# Altium PCB LimeSDR-Micro_mPCIe_1v3.PcbDoc (part 6 of 9)
Units mm, origin at the board's own origin, x right, y up, seen from the top; angles counter-clockwise.
Board outline 50.8 x 29.7 mm, 8 copper layers (Top, L2, L3, L4, L5, L6, L7, Bottom), stack 0.925 mm thick; 666 components, 390 nets, 2363 pads, 827 vias.
Unrouted connection lines stored in the file: 28.
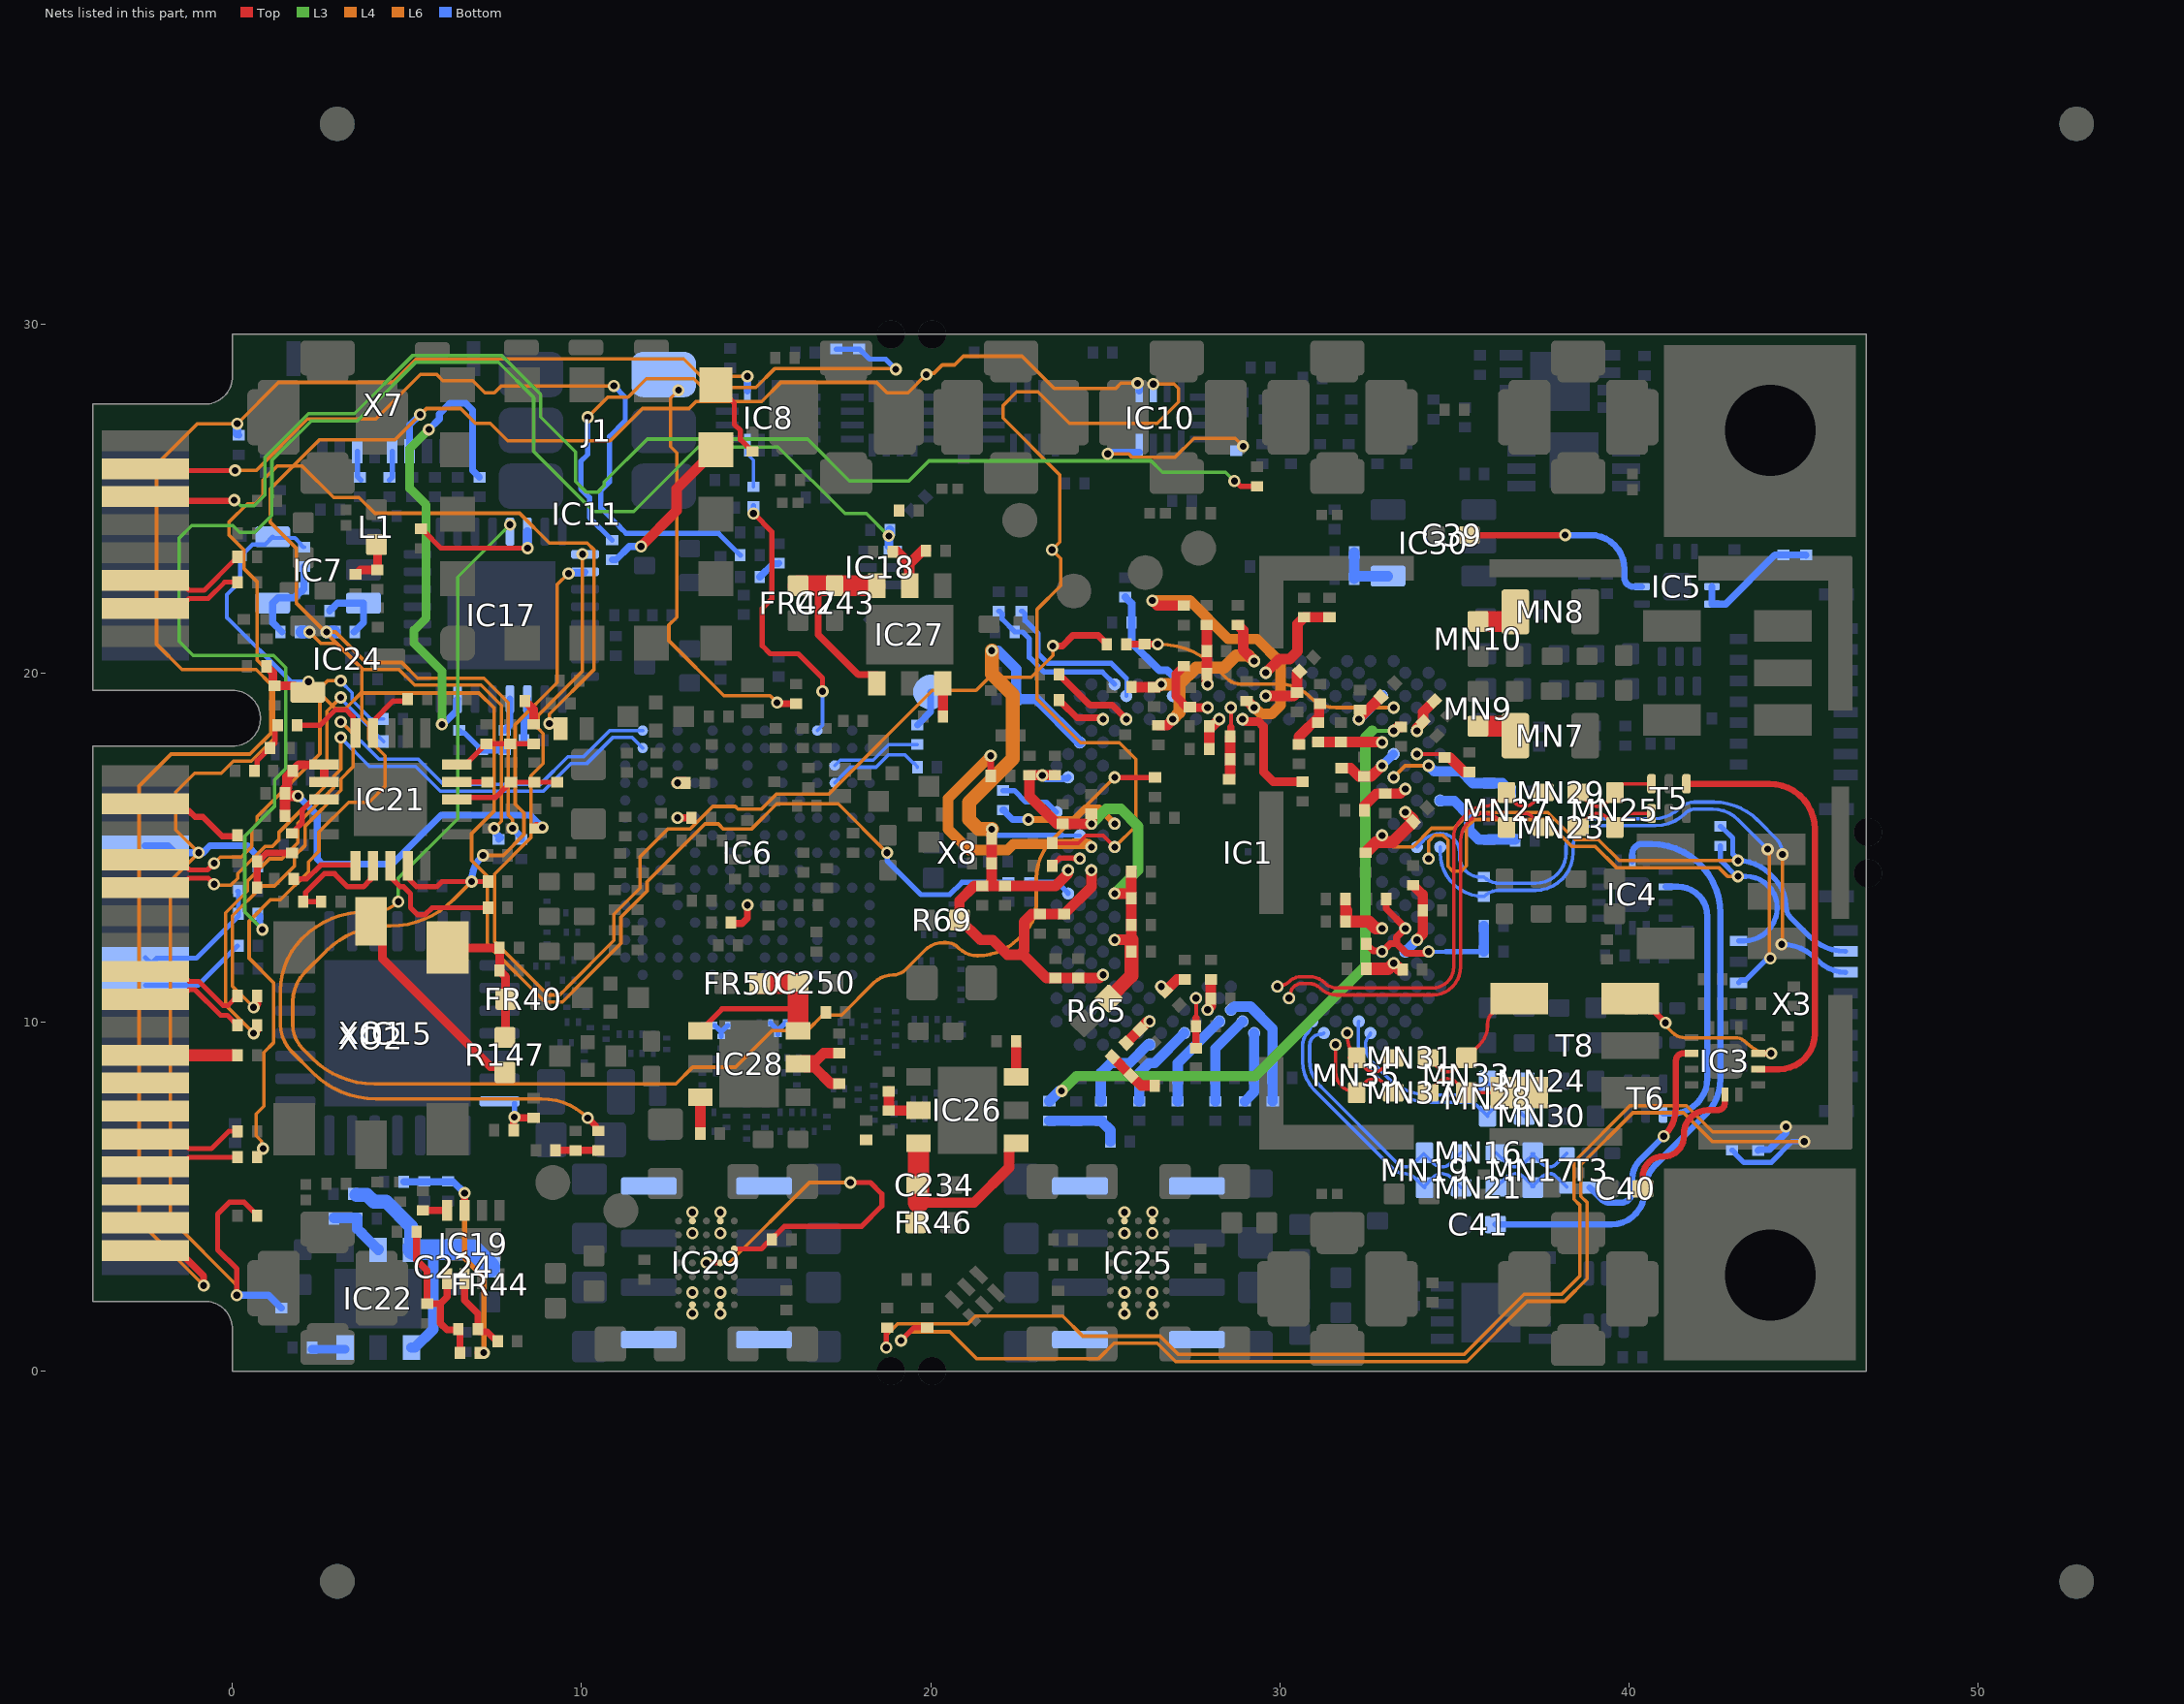
[diagram p12: the nets of this part, all layers, seen from the top]

## Via types
v1: diameter 0.35, hole 0.2, Top to Bottom, tented both sides, 668 vias
v2: diameter 0.35, hole 0.2, L5 to Bottom, tented both sides, 117 vias
v3: diameter 0.4, hole 0.2, Top to Bottom, tented both sides, 30 vias
v4: diameter 0.5, hole 0.2, Top to Bottom, tented both sides, 12 vias

## Nets (pads, with @x,y where several pads share a name; then routed paths per layer and width w, separated by ;. In a path a pad name is that pad's centre, name@x,y a point inside that pad or via, vN(x,y) a via of type N, cw(c..) or ccw(c..) an arc to the next point about the centre after c; other vN are vias at no path point) (continued)
LMS_TX2_BB_I_N: IC1.T6 R6.1 X3.3 | length 16.9
  L6 w0.1: v2(32.93,15.345) 33.255,15.02 33.82,15.02 34.35,15.55 34.992,15.55 35.442,16 37.683,16 38.458,15.225 39.125,15.225 39.725,14.625 v2(43.125,14.625) v2@43.15,14.625
  Bottom w0.15: R6.1@42.625,15.605 42.7,15.53 42.712,15.53 42.975,15.267 42.975,15.2 42.975,14.813 43.125,14.663 v2(43.125,14.625) cw(c43.125,13.358) 44.021,14.254 44.182,14.093 cw(c43.414,13.325) 44.5,13.325 ccw(c44.983,13.325) 44.642,12.983 45.17,12.455 ccw(c46.207,13.492) X3.3@46.207,12.025
LMS_TX2_BB_I_P: IC1.V2 R6.2 X3.2 | length 16.6
  L6 w0.1: v2(34.262,14.679) 34.262,15.179 34.433,15.35 34.675,15.35 34.817,15.208 34.817,14.458 34.95,14.325 35.2,14.325 35.35,14.475 35.35,15.575 35.575,15.8 37.6,15.8 38.375,15.025 39.042,15.025 39.642,14.425 42.575,14.425 42.825,14.175 v2(43.125,14.175)
  Bottom w0.15: R6.2@42.625,15.045 42.625,14.63 43.08,14.175 v2(43.125,14.175) 43.35,14.175 cw(c43.35,13.275) 44.25,13.275 cw(c43.3,13.275) 43.3,12.325 X3.2@43.142,12.325
LMS_TX2_BB_Q_N: IC1.U1 R9.2 X3.6 | length 16.4
  L6 w0.1: v2@43.975,11.9 v2@44.025,11.85 ; v2@44.025,14.95 v2@44.025,11.85 ; v2(44.05,11.825) v2@44.025,11.85
  Bottom w0.1: IC1.U1@34.595,15.012 34.595,14.85 ccw(c35.85,14.85) R9.2@35.85,13.595 cw(c36.285,13.16) 36.285,13.775 37.325,13.775 ccw(c37.325,14.85) 38.4,14.85 38.4,15 cw(c39.025,15) 39.025,15.625 40.766,15.625 ccw(c40.766,16.809) 41.603,15.972 cw(c41.912,15.663) 41.912,16.1 42.4,16.1 cw(c42.4,15.074) 43.126,15.799 v2(43.975,14.95)
  Bottom w0.15: X3.6@43.142,11.125 43.217,11.2 43.35,11.2 v2@43.922,11.772 ; v2@43.922,11.772 cw(c44.05,11.644) v2(44.05,11.825)
LMS_TX2_BB_Q_P: IC1.U3 R9.1 X3.5 | length 18
  L6 w0.1: v2@44.4,12.225 v2(44.4,14.8) v2@44.475,14.725
  Bottom w0.1: IC1.U3@33.929,15.012 34.116,15.2 cw(c34.6,14.716) 34.6,15.4 cw(c34.6,14.85) 35.15,14.85 35.15,14.75 ccw(c35.745,14.75) 35.745,14.155 R9.1@35.85,14.155 ccw(c36.285,14.59) 36.285,13.975 37.325,13.975 ccw(c37.325,14.85) 38.2,14.85 38.2,15 cw(c39.025,15) 39.025,15.825 40.726,15.825 ccw(c40.726,16.849) 41.45,16.125 cw(c41.872,15.703) 41.872,16.3 42.436,16.3 cw(c42.436,14.516) 43.697,15.778 44.234,15.241 cw(c43.892,14.9) v2@44.375,14.9
  Bottom w0.15: v2(44.376,12.225) cw(c44.376,10.84) 45.356,11.819 45.427,11.748 ccw(c46.207,12.529) X3.5@46.207,11.425
LMS_TXEN: IC1.U29 IC10.10 R11.1 | length 24.9
  Top w0.11: R11.1@23.48,15.15 R11.1@23.48,15.125 24.225,15.125 24.448,15.348 24.934,15.348 v1(25.27,15.012)
  L4 w0.1: v1(23.475,23.525) 23.725,23.275 23.725,22.5 23.05,21.825 23.05,19.25 24.299,18.001 25.405,18.001 25.875,17.531 25.875,15.617 v1(25.27,15.012)
  L6 w0.1: v1(23.475,23.525) 23.7,23.75 23.7,25.675 22.075,27.3 22.075,27.66 22.465,28.05 23.075,28.05 23.975,27.15 26.485,27.15 27.1,27.765 27.1,28.15 26.975,28.275 v2(26.375,28.275)
LMS_TxPLL_CLK: C196.2 IC1.E5 R149.2 | length 8.2
  Top w0.2: R149.2@25.57,20.825 v1(26.505,20.825)
  L6 w0.1: v1@26.53,20.825 cw(c26.53,18.483) 28.186,20.139 28.475,19.85 ccw(c28.88,20.255) 28.88,19.682 29.988,19.682 cw(c29.988,18.463) 30.85,19.325 ccw(c31.615,20.09) 31.615,19.008 v1(33.263,19.008)
LNA2_EN: IC10.9 R144.1 X7.6 | length 52.3
  L4 w0.1: v1(0.875,6.375) 0.828,6.422 0.828,6.588 0.675,6.74 0.675,7.365 0.9,7.59 0.9,9.13 1.173,9.403 1.173,11.132 0.475,11.83 0.475,12.888 1.087,13.5 1.375,13.5 2.175,14.3 2.175,14.588 2.475,14.888 2.475,15.444 3.328,16.297 3.912,16.297 4.375,16.759 4.375,17.626 3.9,18.101 3.9,18.525 3.7,18.725 3.7,20.134 1.825,22.009 1.825,23.575 1.075,24.325 1.075,25.267 2.483,26.675 4.65,26.675 v1(5.375,27.4) 5.384,27.4 5.559,27.575 6.535,27.575 6.96,27.15 7.385,27.15 7.885,26.65 10.817,26.65 11.742,27.575 13.075,27.575 13.275,27.775 15.158,27.775 15.708,28.325 18.45,28.325 18.75,28.025 19.35,28.025 v1(19.875,28.55)
  L6 w0.1: v1(19.875,28.55) 19.914,28.589 20.096,28.589 20.333,28.825 20.681,28.825 20.931,29.075 22.615,29.075 23.54,28.15 25.3,28.15 25.45,28.3 v2(25.925,28.3)
  Bottom w0.2: X7.6@5.075,26.35 5.075,27.1 v1(5.375,27.4) ; v2(25.925,28.3) 25.973,28.252 25.975,28.252 IC10.9@25.975,28.075
LNA2_EN_LS: IC10.4 R131.2 | length 5.2
  L6 w0.1: v2(25.075,26.275) 25.675,26.275 25.775,26.175 26.992,26.175 27.542,26.725 28.72,26.725 v2(28.95,26.495)
  Bottom w0.2: v2(25.075,26.275) 25.116,26.275 25.166,26.325 IC10.4@25.975,26.325
MCP_RESET: C178.1 IC15.14 R130.2 | length 1.3
  Top w0.2: R130.2@8.028,6.927 R130.2@8.055,6.9 ; v1@8.03,7.255 C178.1@8.625,7.255 ; R130.2@8.053,6.927 v1@8.053,7.198
  Bottom w0.15: v1@8.075,7.255 IC15.14@8.075,7.675
  other v1: 8.075,7.275
NetC7_2: C7.2 IC1.C29 R20.1 | length 4.6
  Bottom w0.15: R20.1@21.95,21.77 21.975,21.77 22.05,21.695 22.05,21.542 22.405,21.187 C7.2@22.405,21.175 22.63,21.175 22.825,20.98 22.825,20.45 23.25,20.025 24.92,20.025 IC1.C29@25.27,19.674
NetC39_2: C39.2 IC5.2 | length 5.9
  Top w0.18: C39.2@35.425,23.95 v1(38.175,23.95)
  Bottom w0.18: v1(38.175,23.95) 38.897,23.95 cw(c38.897,22.972) 39.875,22.972 39.875,22.725 ccw(c40.125,22.725) 40.125,22.475 IC5.2@40.375,22.475
NetC40_2: C40.2 IC3.13 | length 4.2
  Top w0.18: C40.2@40.4,5.225 40.4,5.575 cw(c40.975,5.575) 40.975,6.15 41,6.15 ccw(c41,6.725) 41.575,6.725 41.575,6.787 cw(c42.262,6.787) 42.262,7.475 42.538,7.475 ccw(c42.538,7.687) 42.75,7.687 IC3.13@42.75,7.922
NetC41_2: C41.2 IC4.13 | length 17.6
  Bottom w0.18: C41.2@36.177,4.2 39.5,4.2 ccw(c39.5,5.15) 40.392,4.822 ccw(c39.5,5.15) 40.45,5.15 cw(c41.536,5.15) 40.768,5.918 42.2,7.35 ccw(c41.176,8.375) 42.625,8.375 42.625,13.11 ccw(c40.635,13.11) 40.635,15.1 40.375,15.1 ccw(c40.375,14.825) 40.1,14.825 IC4.13@40.1,14.603
NetC43_1: C43.1 FR1.2 IC5.8 IC5.9 | length 3.8
  Bottom w0.2: IC5.8@42.375,22.475 IC5.9@42.375,21.975 42.775,21.975 44.18,23.38 C43.1@44.425,23.38 45.065,23.38 FR1.2@45.07,23.375
NetC50_1: C50.1 C51.1 C57.1 C58.1 C59.1 C60.1 C61.1 C62.1 IC1.AA29 IC1.AE29 IC1.L33 IC1.R31 R65.2 | length 13.2
  Top w0.3: C58.1@23.564,17.069 C57.1@22.83,17.069 22.83,16.468 23.62,15.678 v1(24.604,15.678) C50.1@24.604,15.97 ; v1(25.27,13.68) 25.747,13.68 C61.1@25.747,14.31 ; v1@25.299,12.338 25.294,12.338 25.28,12.352 25.28,12.358 25.747,12.358 C59.1@25.747,12.785 C62.1@25.747,13.54
  Top w0.4: R65.2@25.1,10.675 25.747,11.322 C60.1@25.747,12.015 25.747,12.358
  L3 w0.3: v1(24.604,15.678) 25.029,16.103 25.447,16.103 25.942,15.607 25.942,14.352 v1(25.27,13.68)
  Bottom w0.2: v1(23.197,17.065) 23.294,16.968 23.79,16.968 23.804,16.981 23.91,16.981 IC1.L33@23.938,17.01
  other v1: 25.27,12.348
NetC52_1: C52.1 C53.1 C54.1 FR6.1 IC1.A17 IC1.C25 IC1.F24 | length 6.8
  Top w0.3: FR6.1@25.752,19.595 C54.1@26.397,19.595 26.51,19.595 26.589,19.674 v1(26.602,19.674) ; C52.1@26.524,18.501 26.774,18.501 26.935,18.662 v1(26.935,18.675) ; C53.1@28.8,21.375 28.95,21.225 28.95,20.657 v1(29.266,20.34)
  L4 w0.35: v1(26.602,19.674) 27.125,19.674 ; v1(26.935,18.675) 27.125,18.865 27.125,19.674 ; v1(29.266,20.34) 29.107,20.5 28.75,20.5 28.4,20.15 27.601,20.15 27.125,19.674
NetC55_2: C55.2 FR5.1 IC1.M4 | length 1.5
  Top w0.3: FR5.1@32.427,16.065 32.427,16.199 32.773,16.545 C55.2@33.022,16.545 33.45,16.545 33.582,16.677 v1(33.596,16.677)
NetC56_1: C56.1 FR4.1 IC1.AL21 | length 0.9
  Top w0.3: v1(27.934,10.35) 27.934,10.364 28.026,10.456 C56.1@28.026,10.675 FR4.1@28.025,11.22 FR4.1@28.025,11.22
NetC63_1: C63.1 IC1.G5 R66.1 | length 18.3
  Top w0.3: v1(33.263,18.342) 33.276,18.342 33.389,18.455 C63.1@33.475,18.455
  L3 w0.11: 32.658,18.342 v1@33.182,18.342
  L3 w0.3: v1(23.75,8.025) 24.175,8.45 29.3,8.45 32.45,11.6 32.45,18.15 32.65,18.35
  Bottom w0.3: R66.1@23.4,7.731 23.694,8.025 v1(23.75,8.025)
NetC64_1: C64.1 FR9.1 IC1.P4 | length 2.1
  Top w0.35: FR9.1@32.484,14.875 32.759,15.15 33.232,15.15 C64.1@33.824,15.742 33.824,15.782 v1(33.596,16.011)
NetC65_1: C65.1 FR20.1 IC1.D6 IC1.F8 | length 1.8
  Top w0.3: v1(32.264,18.675) 32.264,18.681 FR20.1@32.899,19.317
  Bottom w0.3: v1(32.264,18.675) IC1.D6@32.93,19.341
NetC66_1: C66.1 FR19.1 IC1.B16 | length 2.9
  Top w0.3: v1(29.599,20.007) 29.992,20.4 30.288,20.4 30.509,20.621 30.509,21.404 C66.1@30.7,21.595 FR19.1@31.425,21.595
NetC67_1: C67.1 C68.1 FR18.1 IC1.E19 | length 2
  Top w0.11: 28.6,18.45 v1(28.6,19.008)
  Top w0.2: C67.1@28.6,18.155 28.6,18.18 28.6,18.45
  Top w0.3: FR18.1@28.575,17.055 28.575,17.628 C67.1@28.575,18.155
NetC69_2: C69.2 FR17.1 IC1.F20 | length 1
  Top w0.3: FR17.1@27.98,17.825 C69.2@27.98,18.475 28.067,18.475 v1(28.267,18.675)
NetC70_1: C70.1 FR16.1 IC1.AJ25 | length 0.7
  Top w0.3: C70.1@26.724,10.888 27.056,11.22 FR16.1@27.275,11.22
  other v1: 26.602,11.016
NetC71_1: C71.1 IC1.AP26 R67.1 | length 2.5
  Bottom w0.3: R67.1@24.875,7.73 C71.1@24.875,8.4 24.875,8.539 25.161,8.825 25.696,8.825 26.212,9.341 26.26,9.341 IC1.AP26@26.269,9.351
NetC72_1: C72.1 FR14.1 IC1.AN23 | length 2.6
  Bottom w0.3: FR14.1@25.97,7.73 25.975,7.73 C72.1@25.975,8.4 25.975,8.539 26.261,8.825 26.409,8.825 IC1.AN23@27.268,9.684
NetC73_1: C73.1 FR13.1 IC1.AM20 | length 2.8
  Bottom w0.3: FR13.1@27.075,7.73 C73.1@27.075,8.4 27.075,8.825 IC1.AM20@28.267,10.017
NetC74_1: C74.1 FR12.1 IC1.AL19 | length 3.6
  Bottom w0.3: IC1.AL19@28.6,10.35 28.614,10.35 28.706,10.442 29.158,10.442 29.795,9.805 C74.1@29.795,8.4 FR12.1@29.795,7.73
NetC75_1: C75.1 FR11.1 IC1.AG5 | length 1.1
  Top w0.35: FR11.1@32.53,11.525 33.105,11.525 v1(33.263,11.682) C75.1@33.445,11.5
NetC76_2: C76.2 FR10.1 IC1.AD6 | length 2.1
  Top w0.3: FR10.1@31.88,12.875 C76.2@31.88,13.525
  Top w0.35: 31.905,13.2 31.905,12.875 32.556,12.875 32.75,12.681 v1(32.93,12.681)
NetC77_1: C77.1 FR8.1 IC1.J3 | length 1.6
  Top w0.11: v1(33.929,17.676) 34.629,17.676 C77.1@34.63,17.675
  Top w0.3: C77.1@34.725,17.58 34.87,17.58 35.285,17.165 FR8.1@35.428,17.165
NetC78_2: C78.2 FR7.1 IC1.J5 IC1.K6 | length 1.9
  Top w0.3: FR7.1@31.772,17.27 32.03,17.27 32.265,17.035 C78.2@32.422,17.035 32.621,17.035 v1(32.93,17.343)
  Bottom w0.25: v1(32.93,17.343) IC1.J5@33.263,17.676
NetC79_2: C79.2 FR15.1 R66.2 R67.2 | length 2.2
  Bottom w0.3: R66.2@23.4,7.171 R66.2@23.425,7.171 ; R66.2@23.426,7.17 C79.2@24.175,7.17 R67.2@24.875,7.17 24.9,7.17 24.9,7.145 25.145,6.9 FR15.1@25.145,6.575
NetC80_1: C80.1 FR21.1 IC1.K2 IC1.L5 | length 3.8
  L4 w0.11: v1(33.263,17.01) 33.596,17.343 v1(34.262,17.343)
  Bottom w0.3: v1(34.262,17.343) 34.422,17.183 35.192,17.183 35.53,16.845 C80.1@36,16.845 36.375,16.845 36.6,16.62 36.625,16.62 FR21.1@36.625,16.595
NetC81_1: C81.1 C82.1 FR24.1 IC1.C21 | length 1.7
  Top w0.3: v1@27.909,19.674 C81.1@27.909,19.975 C82.1@27.909,20.625 FR24.1@27.909,21.375
  other v1: 27.934,19.674
NetC83_1: C83.1 C84.1 C85.1 FR23.1 IC1.AD4 IC1.AF2 IC1.AF6 | length 6
  Top w0.2: C83.1@32.477,12.24 32.477,12.215 32.527,12.165 32.552,12.165 32.68,12.037 32.907,12.037 v1(32.93,12.015) 33.165,12.25 33.35,12.25 ; C84.1@33.05,13.525 33.05,13.245 33.596,12.699 v1(33.596,12.681) 33.35,12.436 33.35,12.25 ; v1(34.262,12.015) 34.233,11.986 34.127,11.986 34.113,11.973 33.627,11.973 33.35,12.25
  Bottom w0.11: v1(34.262,12.015) 34.766,12.015
  Bottom w0.15: 34.766,12.015 C85.1@35.845,12.015
  Bottom w0.3: C85.1@35.845,12.015 FR23.1@35.845,12.75
NetC86_1: C86.1 FR22.1 IC1.AN17 | length 2.1
  Bottom w0.3: FR22.1@29,7.73 29.266,7.996 C86.1@29.266,8.4 IC1.AN17@29.266,9.684
NetC87_1: C87.1 IC1.D24 R68.1 | length 3.5
  Bottom w0.11: IC1.D24@26.935,19.341 26.935,19.915
  Bottom w0.22: R68.1@25.575,22.17 25.755,21.99 C87.1@25.755,21.45 25.755,20.87 26.55,20.075 26.775,20.075 26.935,19.915
NetC88_1: C88.1 C89.1 C90.1 C91.1 C92.1 C93.1 C94.1 C95.1 C96.1 C97.1 IC1.AH30 IC1.H32 IC1.T32 IC1.W31 IC1.W33 R69.2 | length 27.5
  Top w0.3: R69.2@20.825,12.925 R69.2@20.825,12.95 ; v1@21.746,15.525 C92.1@21.746,15.258 C93.1@21.746,14.541 21.746,13.9 ; v1(23.938,14.346) 23.929,14.336 23.929,14.245 23.584,13.9 C94.1@22.13,13.9 21.746,13.9 ; v1(24.604,14.346) 24.604,13.87 C88.1@23.825,13.091 C89.1@23.125,13.091 22.891,13.091 22.675,12.875 22.675,12.05 22.55,11.925 ; v1(24.937,11.349) 24.924,11.349 24.832,11.257 C97.1@24.225,11.257 C96.1@23.575,11.257 23.318,11.257 22.65,11.925 22.55,11.925 ; R69.2@20.825,12.95 21.426,12.349 21.776,12.349 22.2,11.925 22.55,11.925 ; R69.2@20.825,12.95 20.825,13.475 21.25,13.9 C95.1@21.475,13.9 21.746,13.9
  L4 w0.4: v1(21.75,15.525) 21.375,15.525 21.1,15.8 21.1,16.297 22.35,17.547 22.35,19.375 21.75,19.975 v1(21.75,20.639)
  Bottom w0.11: 23.767,15.345 IC1.T32@24.271,15.345
  Bottom w0.15: v1(21.75,15.525) 21.93,15.345 23.767,15.345
  Bottom w0.3: v1(21.75,20.639) 21.93,20.639 22.45,20.119 C91.1@22.45,20 C90.1@22.45,19.25 23.031,19.25 IC1.H32@24.271,18.009
NetC98_1: C98.1 FR25.1 IC1.G3 | length 1.1
  Top w0.3: v1(33.929,18.342) 33.938,18.352 33.938,18.434 34.12,18.616 34.106,18.629 34.106,18.877 FR25.1@34.427,19.198
NetC99_1: C99.1 FR32.1 IC1.E21 | length 2
  Top w0.25: FR32.1@27.25,20.195 27.225,20.195 27.2,20.17 27.2,20.145 27.025,19.97 27.025,19.337 27.354,19.008 v1(27.934,19.008)
NetC100_1: C100.1 FR31.1 IC1.D16 | length 1.6
  Top w0.3: v1(29.599,19.341) 30.395,19.341 C100.1@30.495,19.441 30.495,19.975 FR31.1@30.57,20.05
NetC101_1: C101.1 FR30.1 IC1.E17 | length 7.8
  Top w0.3: v1(26.35,22.075) 26.495,21.93 FR30.1@27.25,21.93 ; C101.1@29.05,19.195 29.075,19.195 29.262,19.008 v1(29.266,19.008)
  L4 w0.3: v1(26.35,22.075) 27.425,22.075 28.525,20.975 29.35,20.975 30.025,20.3 30.025,19.075 29.775,18.825 29.463,18.825 29.28,19.008 v1(29.266,19.008)
NetC102_1: C102.1 FR29.1 IC1.AK22 | length 1.4
  Top w0.11: 27.601,10.124 v1(27.601,10.683)
  Top w0.2: FR29.1@27.601,9.25 C102.1@27.601,9.875 27.601,10.124
NetC103_1: C103.1 FR28.1 IC1.AM18 | length 2.6
  Bottom w0.3: FR28.1@28.155,7.73 C103.1@28.155,8.4 28.155,9.239 IC1.AM18@28.933,10.017
NetC104_1: C104.1 FR27.2 IC1.AE3 IC1.AF4 | length 2.2
  Top w0.3: FR27.2@33.82,13.92 34.095,13.645 C104.1@34.095,13.2 34.095,12.528 33.929,12.362 v1(33.929,12.348)
  Bottom w0.3: IC1.AF4@33.596,12.015 v1(33.929,12.348)
NetC105_1: C105.1 FR26.2 IC1.N1 | length 2.9
  Bottom w0.3: IC1.N1@34.595,16.344 34.606,16.333 34.997,16.333 35.425,15.905 35.425,15.5 35.7,15.225 C105.1@36,15.225 ; C105.1@36,15.23 FR26.2@36.745,15.23
NetC106_1: C106.1 FR34.1 IC1.AM26 | length 0.9
  Top w0.3: FR34.1@25.598,9.398 26.207,10.007 26.26,10.007 v1(26.269,10.017)
NetC107_1: C107.1 FR33.2 IC1.H6 | length 1.9
  Top w0.3: FR33.2@31.075,18.02 31.725,18.02 32.905,18.02 32.916,18.009 v1(32.93,18.009)
NetC108_1: C108.1 FR34.2 R71.2 | length 1.6
  Top w0.3: FR34.2@25.202,9.002 C108.1@25.74,8.465 26.029,8.175 R71.2@26.42,8.175
NetC109_1: C109.1 FR33.1 R70.1 | length 1.4
  Top w0.3: C109.1@30.55,17.955 30.55,18.175 31.125,18.75 31.125,19.12 R70.1@31.15,19.12
NetC124_1: C124.1 R82.1 | length 10.6
  L6 w0.1: v2(2.205,21.175) 2.53,20.85 2.992,20.85 3.742,20.1 4.767,20.1 5.217,19.65 7.117,19.65 7.7,19.067 7.7,15.75 v2(7.5,15.55)
  Bottom w0.2: v2(7.5,15.55) 7.5,15.455 7.675,15.28 R82.1@7.625,15.23
  Bottom w0.35: C124.1@1.98,21.175 v2(2.205,21.175)
NetC124_2: C124.2 IC7.4 R77.2 R78.2 | length 2.6
  Bottom w0.2: C124.2@1.42,21.175 1.15,21.445 IC7.4@1.15,22 1.305,22.155 1.775,22.155 1.97,22.35 1.995,22.35 2.045,22.4 R77.2@2.045,22.425 2.045,23.04 R78.2@2.05,23.045
NetC130_1: C130.1 R86.1 | length 10.3
  L6 w0.1: v2(2.695,21.175) 2.95,21.175 3.825,20.3 4.85,20.3 5.3,19.85 7.2,19.85 7.9,19.15 7.9,15.925 8.025,15.8 v2(8.025,15.55)
  Bottom w0.2: v2(8.025,15.55) 8.275,15.3 R86.1@8.275,15.23
  Bottom w0.35: v2(2.695,21.175) C130.1@2.92,21.175
NetC130_2: C130.2 IC7.3 R88.2 | length 2
  Bottom w0.2: R88.2@2.78,21.775 2.78,21.8 2.83,21.85 2.855,21.85 3.005,22 IC7.3@3.75,22 3.75,21.445 C130.2@3.48,21.175
NetC165_1: C165.1 L1.2 R108.1 | length 1.4
  Top w0.25: R108.1@3.525,22.83 3.55,22.83 3.675,22.955 C165.1@4.15,22.955 4.15,23.65 L1.2@4.125,23.675
NetC168_1: C168.1 FR36.1 R109.2 | length 15.6
  L4 w0.1: v1(10.175,27.325) 10.75,27.9 11.331,27.9 11.856,28.425 13.217,28.425 13.467,28.175 14.992,28.175 15.542,28.725 v1@19.075,28.725
  Bottom w0.15: v1(10.175,27.325) 10.175,26.263 9.975,26.063 9.975,25.275 10.225,25.025 10.225,24.455 FR36.1@10.875,23.805 ; C168.1@17.3,29.28 17.962,29.28 18.252,28.99 18.71,28.99 v1(19,28.7)
NetC184_1: C184.1 C185.1 R146.1 | length 1.2
  Top w0.2: C184.1@9.255,6.325 10.47,6.325 C185.1@10.475,6.32
NetC185_2: C185.2 IC17.13 | length 28.2
  Top w0.2: v1(10.175,7.25) 10.4,7.025 10.4,6.93 10.45,6.88 C185.2@10.475,6.88
  L3 w0.1: v1(4.75,13.45) 4.75,14.125 6.45,15.825 6.45,22.75 v1(7.95,24.25)
  L6 w0.1: v1(4.75,13.45) cw(c4.026,14.174) 4.026,13.15 3.802,13.15 ccw(c3.802,10.61) 2.006,12.406 1.993,12.393 ccw(c3.487,10.9) 1.375,10.9 1.375,9.935 ccw(c2.485,9.935) 1.7,9.15 2.306,8.544 ccw(c4.102,10.34) 4.102,7.8 8.847,7.8 cw(c8.847,5.922) v1(10.175,7.25)
NetC186_2: C186.2 IC17.14 | length 3.8
  Top w0.15: C186.2@5.4,24.13 5.425,24.13 5.5,24.055 5.5,24.042 5.967,23.575 v1(8.45,23.575)
  Bottom w0.25: v1(8.45,23.575) IC17.14@8.45,24.05
NetC191_1: C191.1 C192.1 R148.1 | length 1.5
  Bottom w0.15: C191.1@6.5,18.355 6.575,18.28 6.64,18.28 7.125,17.795 R148.1@7.15,17.795
  Bottom w0.2: R148.1@7.15,17.795 C192.1@7.8,17.795
NetC192_2: C192.2 IC17.28 | length 1
  Bottom w0.2: C192.2@7.8,18.355 7.825,18.355 7.875,18.405 7.875,18.447 7.95,18.522 IC17.28@7.95,19.25
NetC193_2: C193.2 IC17.27 | length 1.2
  Bottom w0.2: C193.2@8.345,18.075 8.345,18.57 8.45,18.675 IC17.27@8.45,19.25
NetC194_1: C194.1 C195.1 FR40.1 R147.2 XO1.5 XO2.4 | length 4.3
  Top w0.25: XO1.5@6.164,12.135 6.164,12.225 6.264,12.125 C194.1@7.65,12.125 7.65,11.48 C195.1@7.645,11.475 7.825,11.295 FR40.1@7.825,10.65 7.823,10.648 R147.2@7.823,9.547
NetC202_1: C202.1 IC19.7 R163.1 R164.1 R165.1 | length 7.3
  Top w0.2: IC19.7@6.65,4.6 v1(6.65,5.1)
  Top w0.3: R164.1@7.08,0.525 v1(7.2,0.525)
  L4 w0.15: v1(6.65,5.1) 6.65,3.225 7.2,2.675 v1(7.2,0.525)
  Bottom w0.2: R163.1@4.905,5.425 6.175,5.425 6.325,5.425 v1(6.65,5.1)
NetC205_1: C205.1 FR42.2 IC19.1 R159.1 R164.2 | length 5.2
  Top w0.2: FR42.2@5.275,3.995 5.275,3.18 5.575,2.88 C205.1@5.575,1.93 5.955,1.93 ; IC19.1@6.15,2.65 6.15,2.125 5.955,1.93 ; R164.2@6.52,0.525 6.52,1.125 6.47,1.175 R159.1@6.47,1.2 6.45,1.18 6.145,1.18 5.955,1.37 5.955,1.93
NetC207_2: C207.2 C208.2 C209.2 FR43.2 IC21.6 IC21.7 | length 12.5
  Top w0.25: C208.2@1.725,17.2 1.9,17.375 IC21.6@2.625,17.375 IC21.7@2.625,16.875
  Top w0.3: C209.2@1.505,15.9 C207.2@1.505,16.525 ; C208.2@1.725,17.175 1.565,17.015 1.565,16.723 1.505,16.663 C207.2@1.505,16.55 C207.2@1.505,16.525 ; v1(1.875,16.475) 1.865,16.485 1.57,16.485 1.53,16.525 C207.2@1.505,16.525 ; FR43.2@8.675,15.545 8.7,15.545 FR43.2@8.7,15.586